# KiCad board button_grid.kicad_pcb (continued)
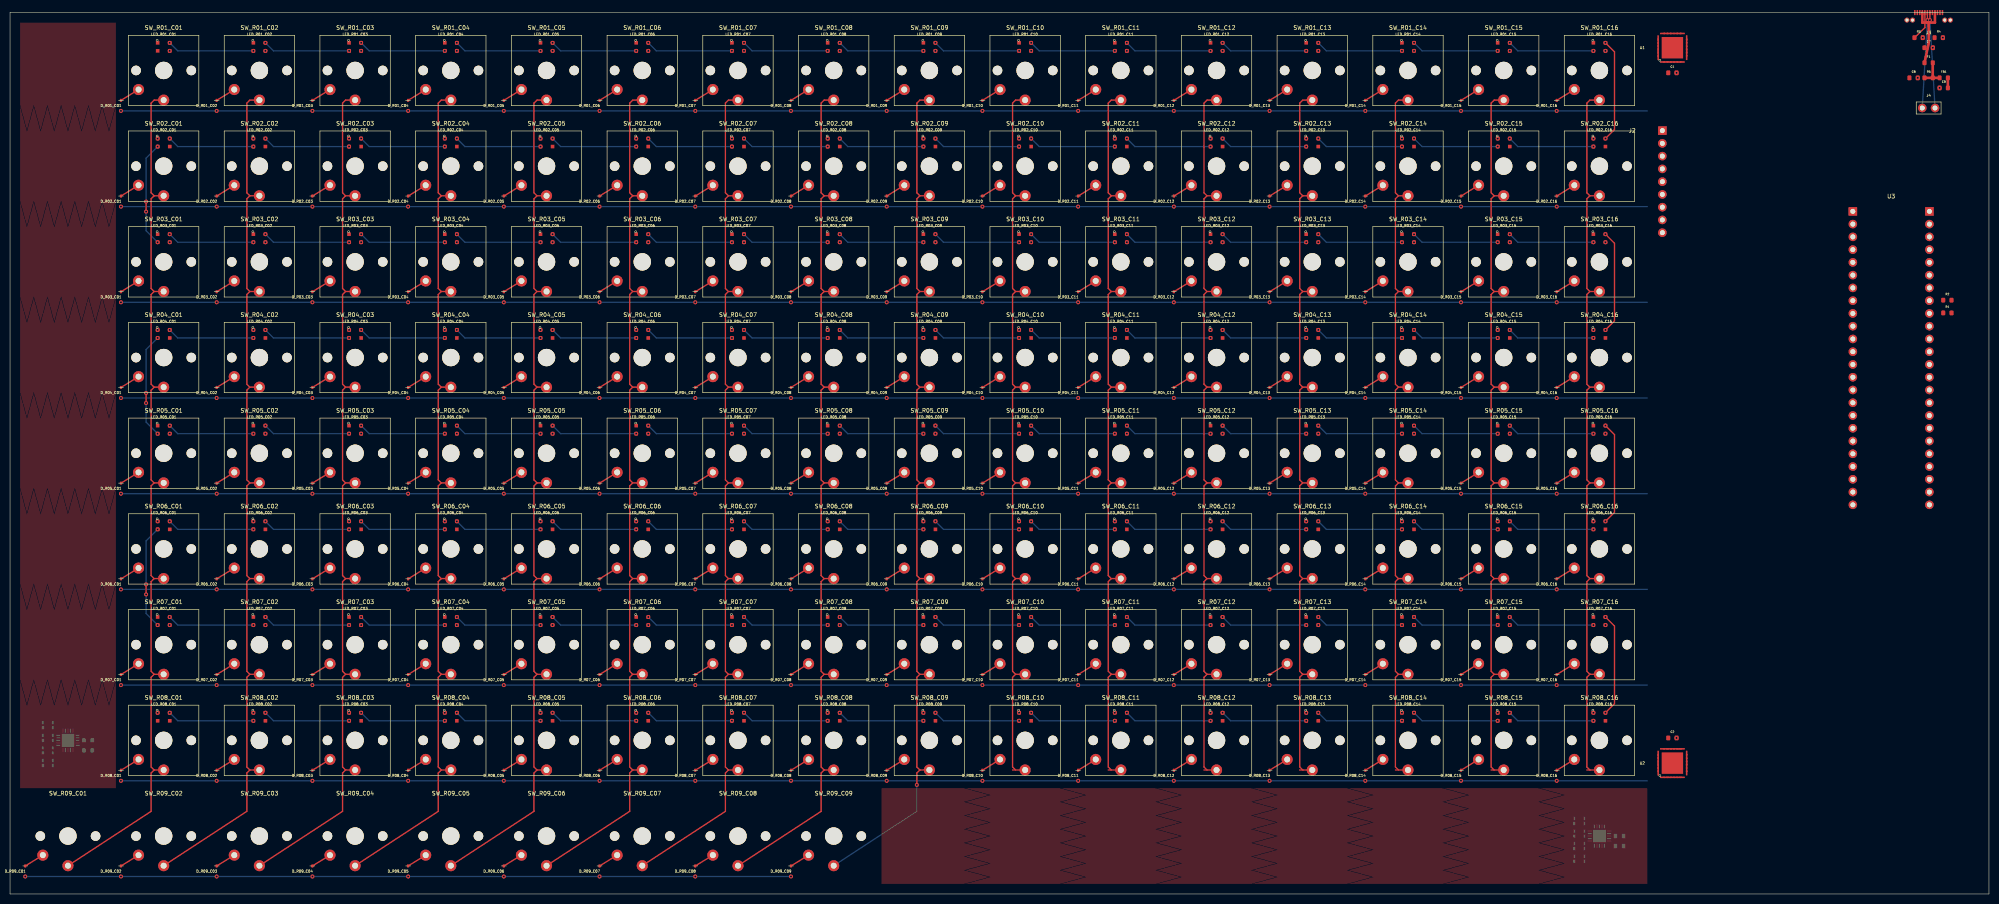
[diagram p0: board, top side]
## Placement (name value [footprint] x y rotation side) (continued)
SW_R07_C08  PG1350  [Kailh_Choc_V1]  163.93 49.62 0 top
SW_R07_C09  PG1350  [Kailh_Choc_V1]  182.97 49.62 0 top
SW_R07_C10  PG1350  [Kailh_Choc_V1]  202.03 49.62 0 top
SW_R07_C11  PG1350  [Kailh_Choc_V1]  221.07 49.62 0 top
SW_R07_C12  PG1350  [Kailh_Choc_V1]  240.12 49.62 0 top
SW_R07_C13  PG1350  [Kailh_Choc_V1]  259.18 49.62 0 top
SW_R07_C14  PG1350  [Kailh_Choc_V1]  278.23 49.62 0 top
SW_R07_C15  PG1350  [Kailh_Choc_V1]  297.27 49.62 0 top
SW_R07_C16  PG1350  [Kailh_Choc_V1]  316.32 49.62 0 top
SW_R08_C01  PG1350  [Kailh_Choc_V1]  30.57 30.57 0 top
SW_R08_C02  PG1350  [Kailh_Choc_V1]  49.62 30.57 0 top
SW_R08_C03  PG1350  [Kailh_Choc_V1]  68.67 30.57 0 top
SW_R08_C04  PG1350  [Kailh_Choc_V1]  87.72 30.57 0 top
SW_R08_C05  PG1350  [Kailh_Choc_V1]  106.78 30.57 0 top
SW_R08_C06  PG1350  [Kailh_Choc_V1]  125.83 30.57 0 top
SW_R08_C07  PG1350  [Kailh_Choc_V1]  144.88 30.57 0 top
SW_R08_C08  PG1350  [Kailh_Choc_V1]  163.93 30.57 0 top
SW_R08_C09  PG1350  [Kailh_Choc_V1]  182.97 30.57 0 top
SW_R08_C10  PG1350  [Kailh_Choc_V1]  202.03 30.57 0 top
SW_R08_C11  PG1350  [Kailh_Choc_V1]  221.07 30.57 0 top
SW_R08_C12  PG1350  [Kailh_Choc_V1]  240.12 30.57 0 top
SW_R08_C13  PG1350  [Kailh_Choc_V1]  259.18 30.57 0 top
SW_R08_C14  PG1350  [Kailh_Choc_V1]  278.23 30.57 0 top
SW_R08_C15  PG1350  [Kailh_Choc_V1]  297.27 30.57 0 top
SW_R08_C16  PG1350  [Kailh_Choc_V1]  316.32 30.57 0 top
SW_R09_C01  -  [Kailh_Choc_V1]  11.53 11.52 0 top
SW_R09_C02  -  [Kailh_Choc_V1]  30.57 11.52 0 top
SW_R09_C03  -  [Kailh_Choc_V1]  49.62 11.52 0 top
SW_R09_C04  -  [Kailh_Choc_V1]  68.67 11.52 0 top
SW_R09_C05  -  [Kailh_Choc_V1]  87.72 11.52 0 top
SW_R09_C06  -  [Kailh_Choc_V1]  106.78 11.52 0 top
SW_R09_C07  -  [Kailh_Choc_V1]  125.83 11.52 0 top
SW_R09_C08  -  [Kailh_Choc_V1]  144.88 11.52 0 top
SW_R09_C09  -  [Kailh_Choc_V1]  163.93 11.52 0 top
U1  MCP23S17  [MCP23S17_QFN28]  330.85 168.45 90 top
U2  MCP23S17  [MCP23S17_QFN28]  330.85 26.05 90 top
U3  Teensy 4.1  [Teensy41]  374.38 135.88 0 top
U3#2  MPR121  [MPR121_QFN20]  11.53 30.57 0 bottom
U4  MPR121  [MPR121_QFN20]  316.32 11.52 0 bottom

## Footprints (pads in the part's own frame, mm; a bottom-side part is the same pattern mirrored in y, then rotated)
C_0603
  rrect 0.8x0.95 smd: 1(-0.825,0) 2(0.825,0)
D_SOD-323
  rrect 0.45x0.6 smd: 1(0,-1.05) 2(0,1.05)
ILI9341_2.4inch
  rect 1.7x1.7 hole 1: 1(0,0)
  round 1.7 hole 1: 2(0,-2.54) 3(0,-5.08) 4(0,-7.62) 5(0,-10.16) 6(0,-12.7) 7(0,-15.24) 8(0,-17.78) 9(0,-20.32)
Kailh_Choc_V1
  round 1.9 hole 1.9 unplated: (-5.5,0) (5.5,0)
  round 3.45 hole 3.45 unplated: (0,0)
  round 2.2 hole 1.2: 1(0,-5.9) 2(-5,-3.8)
MCP23S17_QFN28
  rect 1.14x1.14 smd: (-1.42,1.42) (-1.42,0) (-1.42,-1.42) (0,1.42) (0,0) (0,-1.42) (1.42,1.42) (1.42,0) (1.42,-1.42)
  rrect 0.3x1.025 smd: 1(-2.837,1.95) 2(-2.837,1.3) 3(-2.837,0.65) 4(-2.837,0) 5(-2.837,-0.65) 6(-2.837,-1.3) 7(-2.837,-1.95) 15(2.837,-1.95) 16(2.837,-1.3) 17(2.837,-0.65) 18(2.837,0) 19(2.837,0.65) 20(2.837,1.3) 21(2.837,1.95)
  rrect 1.025x0.3 smd: 8(-1.95,-2.837) 9(-1.3,-2.837) 10(-0.65,-2.837) 11(0,-2.837) 12(0.65,-2.837) 13(1.3,-2.837) 14(1.95,-2.837) 22(1.95,2.837) 23(1.3,2.837) 24(0.65,2.837) 25(0,2.837) 26(-0.65,2.837) 27(-1.3,2.837) 28(-1.95,2.837)
  rect 4.25x4.25 smd: 29(0,0)
MPR121_QFN20
  rect 1.05x1.05 smd: (-0.65,-0.65) (-0.65,0.65) (0.65,-0.65) (0.65,0.65)
  rrect 0.85x0.25 smd: 1(-1.925,-1) 2(-1.925,-0.5) 3(-1.925,0) 4(-1.925,0.5) 5(-1.925,1) 11(1.925,1) 12(1.925,0.5) 13(1.925,0) 14(1.925,-0.5) 15(1.925,-1)
  rrect 0.25x0.85 smd: 6(-1,1.925) 7(-0.5,1.925) 8(0,1.925) 9(0.5,1.925) 10(1,1.925) 16(1,-1.925) 17(0.5,-1.925) 18(0,-1.925) 19(-0.5,-1.925) 20(-1,-1.925)
  rect 2.6x2.6 smd: 21(0,0)
PRTR5V0U2X_SOT-143B
  rrect 0.55x0.7 smd: 1(-1,0.5)
  rrect 0.4x0.7 smd: 2(-1,-0.5) 3(1,-0.5) 4(1,0.5)
R_0603
  rrect 0.8x0.95 smd: 1(-0.825,0) 2(0.825,0)
SK6812MINI-E
  rect 0.7x0.7 smd: 1(1.2,-0.8) 2(-1.2,-0.8) 3(-1.2,0.8) 4(1.2,0.8)
SK6812MINI-E#2
  rect 0.7x0.7 smd: 1(-1.2,0.8) 2(1.2,0.8) 3(1.2,-0.8) 4(-1.2,-0.8)
Teensy41
  rect 1.7x1.7 hole 1: L1(-7.62,0) R1(7.62,0)
  round 1.7 hole 1: L2(-7.62,-2.54) L3(-7.62,-5.08) L4(-7.62,-7.62) L5(-7.62,-10.16) L6(-7.62,-12.7) L7(-7.62,-15.24) L8(-7.62,-17.78) L9(-7.62,-20.32) L10(-7.62,-22.86) L11(-7.62,-25.4) L12(-7.62,-27.94) L13(-7.62,-30.48) L14(-7.62,-33.02) L15(-7.62,-35.56) L16(-7.62,-38.1) L17(-7.62,-40.64) L18(-7.62,-43.18) L19(-7.62,-45.72) L20(-7.62,-48.26) L21(-7.62,-50.8) L22(-7.62,-53.34) L23(-7.62,-55.88) L24(-7.62,-58.42) R2(7.62,-2.54) R3(7.62,-5.08) R4(7.62,-7.62) R5(7.62,-10.16) R6(7.62,-12.7) R7(7.62,-15.24) R8(7.62,-17.78) R9(7.62,-20.32) R10(7.62,-22.86) R11(7.62,-25.4) R12(7.62,-27.94) R13(7.62,-30.48) R14(7.62,-33.02) R15(7.62,-35.56) R16(7.62,-38.1) R17(7.62,-40.64) R18(7.62,-43.18) R19(7.62,-45.72) R20(7.62,-48.26) R21(7.62,-50.8) R22(7.62,-53.34) R23(7.62,-55.88) R24(7.62,-58.42)
USB_C_Mid_Mount
  rect 0.3x1 smd: A1(-2.75,0) A2(-2.25,0) A3(-1.75,0) A4(-1.25,0) A5(-0.75,0) A6(-0.25,0) A7(0.25,0) A8(0.75,0) A9(1.25,0) A10(1.75,0) A11(2.25,0) A12(2.75,0)
  round 1 hole 0.6: SH(-4.32,-1.5) SH(-3.2,-1.5) SH(3.2,-1.5) SH(4.32,-1.5)
USB_Dev_Pads
  round 1.7 hole 1: 1(-1.27,0) 2(1.27,0)

## Nets
GND: C1.2 C2.2 C4.2 C5.2 C5#2.2 C6.2 C7.2 C8.2 C9.1 D_TVS3_0.1 D_TVS3_1.1 D_TVS3_2.1 D_TVS3_3.1 D_TVS4_0.1 D_TVS4_1.1 D_TVS4_2.1 D_TVS4_3.1 J2.2 J3.A1 J3.A12 J3.SH LED_R01_C01.3 LED_R01_C02.3 LED_R01_C03.3 LED_R01_C04.3 LED_R01_C05.3 LED_R01_C06.3 LED_R01_C07.3 LED_R01_C08.3 LED_R01_C09.3 LED_R01_C10.3 LED_R01_C11.3 LED_R01_C12.3 LED_R01_C13.3 LED_R01_C14.3 LED_R01_C15.3 LED_R01_C16.3 LED_R02_C01.3 LED_R02_C02.3 LED_R02_C03.3 LED_R02_C04.3 LED_R02_C05.3 LED_R02_C06.3 LED_R02_C07.3 LED_R02_C08.3 LED_R02_C09.3 LED_R02_C10.3 LED_R02_C11.3 LED_R02_C12.3 LED_R02_C13.3 LED_R02_C14.3 LED_R02_C15.3 LED_R02_C16.3 LED_R03_C01.3 LED_R03_C02.3 LED_R03_C03.3 LED_R03_C04.3 LED_R03_C05.3 LED_R03_C06.3 LED_R03_C07.3 LED_R03_C08.3 LED_R03_C09.3 LED_R03_C10.3 LED_R03_C11.3 LED_R03_C12.3 LED_R03_C13.3 LED_R03_C14.3 LED_R03_C15.3 LED_R03_C16.3 LED_R04_C01.3 LED_R04_C02.3 LED_R04_C03.3 LED_R04_C04.3 LED_R04_C05.3 LED_R04_C06.3 LED_R04_C07.3 LED_R04_C08.3 LED_R04_C09.3 LED_R04_C10.3 LED_R04_C11.3 LED_R04_C12.3 LED_R04_C13.3 LED_R04_C14.3 LED_R04_C15.3 LED_R04_C16.3 LED_R05_C01.3 LED_R05_C02.3 LED_R05_C03.3 LED_R05_C04.3 LED_R05_C05.3 LED_R05_C06.3 LED_R05_C07.3 LED_R05_C08.3 LED_R05_C09.3 LED_R05_C10.3 LED_R05_C11.3 LED_R05_C12.3 LED_R05_C13.3 LED_R05_C14.3 LED_R05_C15.3 LED_R05_C16.3 LED_R06_C01.3 LED_R06_C02.3 LED_R06_C03.3 LED_R06_C04.3 LED_R06_C05.3 LED_R06_C06.3 LED_R06_C07.3 LED_R06_C08.3 LED_R06_C09.3 LED_R06_C10.3 LED_R06_C11.3 LED_R06_C12.3 LED_R06_C13.3 LED_R06_C14.3 LED_R06_C15.3 LED_R06_C16.3 LED_R07_C01.3 LED_R07_C02.3 LED_R07_C03.3 LED_R07_C04.3 LED_R07_C05.3 LED_R07_C06.3 LED_R07_C07.3 LED_R07_C08.3 LED_R07_C09.3 LED_R07_C10.3 LED_R07_C11.3 LED_R07_C12.3 LED_R07_C13.3 LED_R07_C14.3 LED_R07_C15.3 LED_R07_C16.3 LED_R08_C01.3 LED_R08_C02.3 LED_R08_C03.3 LED_R08_C04.3 LED_R08_C05.3 LED_R08_C06.3 LED_R08_C07.3 LED_R08_C08.3 LED_R08_C09.3 LED_R08_C10.3 LED_R08_C11.3 LED_R08_C12.3 LED_R08_C13.3 LED_R08_C14.3 LED_R08_C15.3 LED_R08_C16.3 R3.2 R4.2 U1. U1.10 U1.15 U1.16 U1.17 U1.29 U2. U2.10 U2.15 U2.16 U2.17 U2.29 U3.L1 U3.R2 U3#2. U3#2.2 U3#2.11 U3#2.21 U4. U4.2 U4.11 U4.21
VCC: C1.1 C2.1 C4.1 C5.1 C5#2.1 C6.1 C9.2 D_TVS3_0.3 D_TVS3_1.3 D_TVS3_2.3 D_TVS3_3.3 D_TVS4_0.3 D_TVS4_1.3 D_TVS4_2.3 D_TVS4_3.3 FB1.2 J2.1 R1.2 R2.2 U1.9 U1.18 U2.9 U2.18 U3.L15 U3.R1 U3.R3 U3#2.1 U3#2.20 U4.1 U4.20
VCC_FUSED: F1.2 FB1.1 R5.1
COL0: SW_R01_C01.1 SW_R02_C01.1 SW_R03_C01.1 SW_R04_C01.1 SW_R05_C01.1 SW_R06_C01.1 SW_R07_C01.1 SW_R08_C01.1 SW_R09_C01.1 U1.21
COL1: SW_R01_C02.1 SW_R02_C02.1 SW_R03_C02.1 SW_R04_C02.1 SW_R05_C02.1 SW_R06_C02.1 SW_R07_C02.1 SW_R08_C02.1 SW_R09_C02.1 U1.22
COL2: SW_R01_C03.1 SW_R02_C03.1 SW_R03_C03.1 SW_R04_C03.1 SW_R05_C03.1 SW_R06_C03.1 SW_R07_C03.1 SW_R08_C03.1 SW_R09_C03.1 U1.23
COL3: SW_R01_C04.1 SW_R02_C04.1 SW_R03_C04.1 SW_R04_C04.1 SW_R05_C04.1 SW_R06_C04.1 SW_R07_C04.1 SW_R08_C04.1 SW_R09_C04.1 U1.24
COL4: SW_R01_C05.1 SW_R02_C05.1 SW_R03_C05.1 SW_R04_C05.1 SW_R05_C05.1 SW_R06_C05.1 SW_R07_C05.1 SW_R08_C05.1 SW_R09_C05.1 U1.25
COL5: SW_R01_C06.1 SW_R02_C06.1 SW_R03_C06.1 SW_R04_C06.1 SW_R05_C06.1 SW_R06_C06.1 SW_R07_C06.1 SW_R08_C06.1 SW_R09_C06.1 U1.26
COL6: SW_R01_C07.1 SW_R02_C07.1 SW_R03_C07.1 SW_R04_C07.1 SW_R05_C07.1 SW_R06_C07.1 SW_R07_C07.1 SW_R08_C07.1 SW_R09_C07.1 U1.27
COL7: SW_R01_C08.1 SW_R02_C08.1 SW_R03_C08.1 SW_R04_C08.1 SW_R05_C08.1 SW_R06_C08.1 SW_R07_C08.1 SW_R08_C08.1 SW_R09_C08.1 U1.28
COL8: SW_R01_C09.1 SW_R02_C09.1 SW_R03_C09.1 SW_R04_C09.1 SW_R05_C09.1 SW_R06_C09.1 SW_R07_C09.1 SW_R08_C09.1 SW_R09_C09.1 U1.1
COL9: SW_R01_C10.1 SW_R02_C10.1 SW_R03_C10.1 SW_R04_C10.1 SW_R05_C10.1 SW_R06_C10.1 SW_R07_C10.1 SW_R08_C10.1 U1.2
COL10: SW_R01_C11.1 SW_R02_C11.1 SW_R03_C11.1 SW_R04_C11.1 SW_R05_C11.1 SW_R06_C11.1 SW_R07_C11.1 SW_R08_C11.1 U1.3
COL11: SW_R01_C12.1 SW_R02_C12.1 SW_R03_C12.1 SW_R04_C12.1 SW_R05_C12.1 SW_R06_C12.1 SW_R07_C12.1 SW_R08_C12.1 U1.4
COL12: SW_R01_C13.1 SW_R02_C13.1 SW_R03_C13.1 SW_R04_C13.1 SW_R05_C13.1 SW_R06_C13.1 SW_R07_C13.1 SW_R08_C13.1 U1.5
COL13: SW_R01_C14.1 SW_R02_C14.1 SW_R03_C14.1 SW_R04_C14.1 SW_R05_C14.1 SW_R06_C14.1 SW_R07_C14.1 SW_R08_C14.1 U1.6
COL14: SW_R01_C15.1 SW_R02_C15.1 SW_R03_C15.1 SW_R04_C15.1 SW_R05_C15.1 SW_R06_C15.1 SW_R07_C15.1 SW_R08_C15.1 U1.7
COL15: SW_R01_C16.1 SW_R02_C16.1 SW_R03_C16.1 SW_R04_C16.1 SW_R05_C16.1 SW_R06_C16.1 SW_R07_C16.1 SW_R08_C16.1 U1.8
DISP_CS: J2.3 U3.L12
DISP_DC: J2.5 U3.L8
DISP_LED: J2.8 U3.L10
DISP_MISO: J2.9 U1.14 U2.14 U3.L14
DISP_MOSI: J2.6 U1.13 U2.13 U3.L13
DISP_RST: J2.4 U3.L9
DISP_SCK: J2.7 U1.12 U2.12 U3.R14
HSLIDER0: D_TVS4_0.2 U4.9
HSLIDER1: D_TVS4_0.4 U4.10
HSLIDER2: D_TVS4_1.2 U4.12
HSLIDER3: D_TVS4_1.4 U4.13
HSLIDER4: D_TVS4_2.2 U4.14
HSLIDER5: D_TVS4_2.4 U4.15
HSLIDER6: D_TVS4_3.2 U4.16
HSLIDER7: D_TVS4_3.4 U4.17
I2C_SCL: R2.1 U3.R8 U3#2.4 U4.4
I2C_SDA: R1.1 U3.R9 U3#2.5 U4.5
LED_CH1: LED_R01_C01.2 LED_R01_C02.4
LED_CH2: LED_R01_C02.2 LED_R01_C03.4
LED_CH3: LED_R01_C03.2 LED_R01_C04.4
LED_CH4: LED_R01_C04.2 LED_R01_C05.4
LED_CH5: LED_R01_C05.2 LED_R01_C06.4
LED_CH6: LED_R01_C06.2 LED_R01_C07.4
LED_CH7: LED_R01_C07.2 LED_R01_C08.4
LED_CH8: LED_R01_C08.2 LED_R01_C09.4
LED_CH9: LED_R01_C09.2 LED_R01_C10.4
LED_CH10: LED_R01_C10.2 LED_R01_C11.4
LED_CH11: LED_R01_C11.2 LED_R01_C12.4
LED_CH12: LED_R01_C12.2 LED_R01_C13.4
LED_CH13: LED_R01_C13.2 LED_R01_C14.4
LED_CH14: LED_R01_C14.2 LED_R01_C15.4
LED_CH15: LED_R01_C15.2 LED_R01_C16.4
LED_CH16: LED_R01_C16.2 LED_R02_C16.4
LED_CH17: LED_R02_C15.4 LED_R02_C16.2
LED_CH18: LED_R02_C14.4 LED_R02_C15.2
LED_CH19: LED_R02_C13.4 LED_R02_C14.2
LED_CH20: LED_R02_C12.4 LED_R02_C13.2
LED_CH21: LED_R02_C11.4 LED_R02_C12.2
LED_CH22: LED_R02_C10.4 LED_R02_C11.2
LED_CH23: LED_R02_C09.4 LED_R02_C10.2
LED_CH24: LED_R02_C08.4 LED_R02_C09.2
LED_CH25: LED_R02_C07.4 LED_R02_C08.2
LED_CH26: LED_R02_C06.4 LED_R02_C07.2
LED_CH27: LED_R02_C05.4 LED_R02_C06.2
LED_CH28: LED_R02_C04.4 LED_R02_C05.2
LED_CH29: LED_R02_C03.4 LED_R02_C04.2
LED_CH30: LED_R02_C02.4 LED_R02_C03.2
LED_CH31: LED_R02_C01.4 LED_R02_C02.2
LED_CH32: LED_R02_C01.2 LED_R03_C01.4
LED_CH33: LED_R03_C01.2 LED_R03_C02.4
LED_CH34: LED_R03_C02.2 LED_R03_C03.4
LED_CH35: LED_R03_C03.2 LED_R03_C04.4
LED_CH36: LED_R03_C04.2 LED_R03_C05.4
LED_CH37: LED_R03_C05.2 LED_R03_C06.4
LED_CH38: LED_R03_C06.2 LED_R03_C07.4
LED_CH39: LED_R03_C07.2 LED_R03_C08.4
LED_CH40: LED_R03_C08.2 LED_R03_C09.4
LED_CH41: LED_R03_C09.2 LED_R03_C10.4
LED_CH42: LED_R03_C10.2 LED_R03_C11.4
LED_CH43: LED_R03_C11.2 LED_R03_C12.4
LED_CH44: LED_R03_C12.2 LED_R03_C13.4
LED_CH45: LED_R03_C13.2 LED_R03_C14.4
LED_CH46: LED_R03_C14.2 LED_R03_C15.4
LED_CH47: LED_R03_C15.2 LED_R03_C16.4
LED_CH48: LED_R03_C16.2 LED_R04_C16.4
LED_CH49: LED_R04_C15.4 LED_R04_C16.2
LED_CH50: LED_R04_C14.4 LED_R04_C15.2
LED_CH51: LED_R04_C13.4 LED_R04_C14.2
LED_CH52: LED_R04_C12.4 LED_R04_C13.2
LED_CH53: LED_R04_C11.4 LED_R04_C12.2
LED_CH54: LED_R04_C10.4 LED_R04_C11.2
LED_CH55: LED_R04_C09.4 LED_R04_C10.2
LED_CH56: LED_R04_C08.4 LED_R04_C09.2
LED_CH57: LED_R04_C07.4 LED_R04_C08.2
LED_CH58: LED_R04_C06.4 LED_R04_C07.2
LED_CH59: LED_R04_C05.4 LED_R04_C06.2
LED_CH60: LED_R04_C04.4 LED_R04_C05.2
LED_CH61: LED_R04_C03.4 LED_R04_C04.2
LED_CH62: LED_R04_C02.4 LED_R04_C03.2
LED_CH63: LED_R04_C01.4 LED_R04_C02.2
LED_CH64: LED_R04_C01.2 LED_R05_C01.4
LED_CH65: LED_R05_C01.2 LED_R05_C02.4
LED_CH66: LED_R05_C02.2 LED_R05_C03.4
LED_CH67: LED_R05_C03.2 LED_R05_C04.4
LED_CH68: LED_R05_C04.2 LED_R05_C05.4
LED_CH69: LED_R05_C05.2 LED_R05_C06.4
LED_CH70: LED_R05_C06.2 LED_R05_C07.4
LED_CH71: LED_R05_C07.2 LED_R05_C08.4
LED_CH72: LED_R05_C08.2 LED_R05_C09.4
LED_CH73: LED_R05_C09.2 LED_R05_C10.4
LED_CH74: LED_R05_C10.2 LED_R05_C11.4
LED_CH75: LED_R05_C11.2 LED_R05_C12.4
LED_CH76: LED_R05_C12.2 LED_R05_C13.4
LED_CH77: LED_R05_C13.2 LED_R05_C14.4
LED_CH78: LED_R05_C14.2 LED_R05_C15.4
LED_CH79: LED_R05_C15.2 LED_R05_C16.4
LED_CH80: LED_R05_C16.2 LED_R06_C16.4
LED_CH81: LED_R06_C15.4 LED_R06_C16.2
LED_CH82: LED_R06_C14.4 LED_R06_C15.2
LED_CH83: LED_R06_C13.4 LED_R06_C14.2
LED_CH84: LED_R06_C12.4 LED_R06_C13.2
LED_CH85: LED_R06_C11.4 LED_R06_C12.2
LED_CH86: LED_R06_C10.4 LED_R06_C11.2
LED_CH87: LED_R06_C09.4 LED_R06_C10.2
LED_CH88: LED_R06_C08.4 LED_R06_C09.2
LED_CH89: LED_R06_C07.4 LED_R06_C08.2
LED_CH90: LED_R06_C06.4 LED_R06_C07.2
LED_CH91: LED_R06_C05.4 LED_R06_C06.2
LED_CH92: LED_R06_C04.4 LED_R06_C05.2
LED_CH93: LED_R06_C03.4 LED_R06_C04.2
LED_CH94: LED_R06_C02.4 LED_R06_C03.2
LED_CH95: LED_R06_C01.4 LED_R06_C02.2
LED_CH96: LED_R06_C01.2 LED_R07_C01.4
LED_CH97: LED_R07_C01.2 LED_R07_C02.4
LED_CH98: LED_R07_C02.2 LED_R07_C03.4
LED_CH99: LED_R07_C03.2 LED_R07_C04.4
LED_CH100: LED_R07_C04.2 LED_R07_C05.4
LED_CH101: LED_R07_C05.2 LED_R07_C06.4
LED_CH102: LED_R07_C06.2 LED_R07_C07.4
LED_CH103: LED_R07_C07.2 LED_R07_C08.4
LED_CH104: LED_R07_C08.2 LED_R07_C09.4
LED_CH105: LED_R07_C09.2 LED_R07_C10.4
LED_CH106: LED_R07_C10.2 LED_R07_C11.4
LED_CH107: LED_R07_C11.2 LED_R07_C12.4
LED_CH108: LED_R07_C12.2 LED_R07_C13.4
LED_CH109: LED_R07_C13.2 LED_R07_C14.4
LED_CH110: LED_R07_C14.2 LED_R07_C15.4
LED_CH111: LED_R07_C15.2 LED_R07_C16.4
LED_CH112: LED_R07_C16.2 LED_R08_C16.4
LED_CH113: LED_R08_C15.4 LED_R08_C16.2
LED_CH114: LED_R08_C14.4 LED_R08_C15.2
LED_CH115: LED_R08_C13.4 LED_R08_C14.2
LED_CH116: LED_R08_C12.4 LED_R08_C13.2
LED_CH117: LED_R08_C11.4 LED_R08_C12.2
LED_CH118: LED_R08_C10.4 LED_R08_C11.2
LED_CH119: LED_R08_C09.4 LED_R08_C10.2
LED_CH120: LED_R08_C08.4 LED_R08_C09.2
LED_CH121: LED_R08_C07.4 LED_R08_C08.2
LED_CH122: LED_R08_C06.4 LED_R08_C07.2
LED_CH123: LED_R08_C05.4 LED_R08_C06.2
LED_CH124: LED_R08_C04.4 LED_R08_C05.2
LED_CH125: LED_R08_C03.4 LED_R08_C04.2
LED_CH126: LED_R08_C02.4 LED_R08_C03.2
LED_CH127: LED_R08_C01.4 LED_R08_C02.2
LED_DIN: LED_R01_C01.4 U3.L3
LED_VCC: C8.1 LED_R01_C01.1 LED_R01_C02.1 LED_R01_C03.1 LED_R01_C04.1 LED_R01_C05.1 LED_R01_C06.1 LED_R01_C07.1 LED_R01_C08.1 LED_R01_C09.1 LED_R01_C10.1 LED_R01_C11.1 LED_R01_C12.1 LED_R01_C13.1 LED_R01_C14.1 LED_R01_C15.1 LED_R01_C16.1 LED_R02_C01.1 LED_R02_C02.1 LED_R02_C03.1 LED_R02_C04.1 LED_R02_C05.1 LED_R02_C06.1 LED_R02_C07.1 LED_R02_C08.1 LED_R02_C09.1 LED_R02_C10.1 LED_R02_C11.1 LED_R02_C12.1 LED_R02_C13.1 LED_R02_C14.1 LED_R02_C15.1 LED_R02_C16.1 LED_R03_C01.1 LED_R03_C02.1 LED_R03_C03.1 LED_R03_C04.1 LED_R03_C05.1 LED_R03_C06.1 LED_R03_C07.1 LED_R03_C08.1 LED_R03_C09.1 LED_R03_C10.1 LED_R03_C11.1 LED_R03_C12.1 LED_R03_C13.1 LED_R03_C14.1 LED_R03_C15.1 LED_R03_C16.1 LED_R04_C01.1 LED_R04_C02.1 LED_R04_C03.1 LED_R04_C04.1 LED_R04_C05.1 LED_R04_C06.1 LED_R04_C07.1 LED_R04_C08.1 LED_R04_C09.1 LED_R04_C10.1 LED_R04_C11.1 LED_R04_C12.1 LED_R04_C13.1 LED_R04_C14.1 LED_R04_C15.1 LED_R04_C16.1 LED_R05_C01.1 LED_R05_C02.1 LED_R05_C03.1 LED_R05_C04.1 LED_R05_C05.1 LED_R05_C06.1 LED_R05_C07.1 LED_R05_C08.1 LED_R05_C09.1 LED_R05_C10.1 LED_R05_C11.1 LED_R05_C12.1 LED_R05_C13.1 LED_R05_C14.1 LED_R05_C15.1 LED_R05_C16.1 LED_R06_C01.1 LED_R06_C02.1 LED_R06_C03.1 LED_R06_C04.1 LED_R06_C05.1 LED_R06_C06.1 LED_R06_C07.1 LED_R06_C08.1 LED_R06_C09.1 LED_R06_C10.1 LED_R06_C11.1 LED_R06_C12.1 LED_R06_C13.1 LED_R06_C14.1 LED_R06_C15.1 LED_R06_C16.1 LED_R07_C01.1 LED_R07_C02.1 LED_R07_C03.1 LED_R07_C04.1 LED_R07_C05.1 LED_R07_C06.1 LED_R07_C07.1 LED_R07_C08.1 LED_R07_C09.1 LED_R07_C10.1 LED_R07_C11.1 LED_R07_C12.1 LED_R07_C13.1 LED_R07_C14.1 LED_R07_C15.1 LED_R07_C16.1 LED_R08_C01.1 LED_R08_C02.1 LED_R08_C03.1 LED_R08_C04.1 LED_R08_C05.1 LED_R08_C06.1 LED_R08_C07.1 LED_R08_C08.1 LED_R08_C09.1 LED_R08_C10.1 LED_R08_C11.1 LED_R08_C12.1 LED_R08_C13.1 LED_R08_C14.1 LED_R08_C15.1 LED_R08_C16.1 R5.2
MPR_IRQ_H: U4.6
MPR_IRQ_V: U3#2.6
ROW0: D_R01_C01.1 D_R01_C02.1 D_R01_C03.1 D_R01_C04.1 D_R01_C05.1 D_R01_C06.1 D_R01_C07.1 D_R01_C08.1 D_R01_C09.1 D_R01_C10.1 D_R01_C11.1 D_R01_C12.1 D_R01_C13.1 D_R01_C14.1 D_R01_C15.1 D_R01_C16.1 U2.21
ROW1: D_R02_C01.1 D_R02_C02.1 D_R02_C03.1 D_R02_C04.1 D_R02_C05.1 D_R02_C06.1 D_R02_C07.1 D_R02_C08.1 D_R02_C09.1 D_R02_C10.1 D_R02_C11.1 D_R02_C12.1 D_R02_C13.1 D_R02_C14.1 D_R02_C15.1 D_R02_C16.1 U2.22
ROW2: D_R03_C01.1 D_R03_C02.1 D_R03_C03.1 D_R03_C04.1 D_R03_C05.1 D_R03_C06.1 D_R03_C07.1 D_R03_C08.1 D_R03_C09.1 D_R03_C10.1 D_R03_C11.1 D_R03_C12.1 D_R03_C13.1 D_R03_C14.1 D_R03_C15.1 D_R03_C16.1 U2.23
ROW3: D_R04_C01.1 D_R04_C02.1 D_R04_C03.1 D_R04_C04.1 D_R04_C05.1 D_R04_C06.1 D_R04_C07.1 D_R04_C08.1 D_R04_C09.1 D_R04_C10.1 D_R04_C11.1 D_R04_C12.1 D_R04_C13.1 D_R04_C14.1 D_R04_C15.1 D_R04_C16.1 U2.24
ROW4: D_R05_C01.1 D_R05_C02.1 D_R05_C03.1 D_R05_C04.1 D_R05_C05.1 D_R05_C06.1 D_R05_C07.1 D_R05_C08.1 D_R05_C09.1 D_R05_C10.1 D_R05_C11.1 D_R05_C12.1 D_R05_C13.1 D_R05_C14.1 D_R05_C15.1 D_R05_C16.1 U2.25
ROW5: D_R06_C01.1 D_R06_C02.1 D_R06_C03.1 D_R06_C04.1 D_R06_C05.1 D_R06_C06.1 D_R06_C07.1 D_R06_C08.1 D_R06_C09.1 D_R06_C10.1 D_R06_C11.1 D_R06_C12.1 D_R06_C13.1 D_R06_C14.1 D_R06_C15.1 D_R06_C16.1 U2.26
ROW6: D_R07_C01.1 D_R07_C02.1 D_R07_C03.1 D_R07_C04.1 D_R07_C05.1 D_R07_C06.1 D_R07_C07.1 D_R07_C08.1 D_R07_C09.1 D_R07_C10.1 D_R07_C11.1 D_R07_C12.1 D_R07_C13.1 D_R07_C14.1 D_R07_C15.1 D_R07_C16.1 U2.27
ROW7: D_R08_C01.1 D_R08_C02.1 D_R08_C03.1 D_R08_C04.1 D_R08_C05.1 D_R08_C06.1 D_R08_C07.1 D_R08_C08.1 D_R08_C09.1 D_R08_C10.1 D_R08_C11.1 D_R08_C12.1 D_R08_C13.1 D_R08_C14.1 D_R08_C15.1 D_R08_C16.1 U2.28
ROW8: D_R09_C01.1 D_R09_C02.1 D_R09_C03.1 D_R09_C04.1 D_R09_C05.1 D_R09_C06.1 D_R09_C07.1 D_R09_C08.1 D_R09_C09.1
SPI_CS_U1: U1.11 U3.R7
SPI_CS_U2: U2.11 U3.R6
SW_0_0: D_R01_C01.2 SW_R01_C01.2
SW_0_1: D_R01_C02.2 SW_R01_C02.2
SW_0_2: D_R01_C03.2 SW_R01_C03.2
SW_0_3: D_R01_C04.2 SW_R01_C04.2
SW_0_4: D_R01_C05.2 SW_R01_C05.2
SW_0_5: D_R01_C06.2 SW_R01_C06.2
SW_0_6: D_R01_C07.2 SW_R01_C07.2
SW_0_7: D_R01_C08.2 SW_R01_C08.2
SW_0_8: D_R01_C09.2 SW_R01_C09.2
SW_0_9: D_R01_C10.2 SW_R01_C10.2
SW_0_10: D_R01_C11.2 SW_R01_C11.2
SW_0_11: D_R01_C12.2 SW_R01_C12.2
SW_0_12: D_R01_C13.2 SW_R01_C13.2
SW_0_13: D_R01_C14.2 SW_R01_C14.2
SW_0_14: D_R01_C15.2 SW_R01_C15.2
SW_0_15: D_R01_C16.2 SW_R01_C16.2
SW_1_0: D_R02_C01.2 SW_R02_C01.2
SW_1_1: D_R02_C02.2 SW_R02_C02.2
SW_1_2: D_R02_C03.2 SW_R02_C03.2
SW_1_3: D_R02_C04.2 SW_R02_C04.2
SW_1_4: D_R02_C05.2 SW_R02_C05.2
SW_1_5: D_R02_C06.2 SW_R02_C06.2
SW_1_6: D_R02_C07.2 SW_R02_C07.2
SW_1_7: D_R02_C08.2 SW_R02_C08.2
SW_1_8: D_R02_C09.2 SW_R02_C09.2
SW_1_9: D_R02_C10.2 SW_R02_C10.2
SW_1_10: D_R02_C11.2 SW_R02_C11.2
SW_1_11: D_R02_C12.2 SW_R02_C12.2
SW_1_12: D_R02_C13.2 SW_R02_C13.2
SW_1_13: D_R02_C14.2 SW_R02_C14.2
SW_1_14: D_R02_C15.2 SW_R02_C15.2
SW_1_15: D_R02_C16.2 SW_R02_C16.2
SW_2_0: D_R03_C01.2 SW_R03_C01.2
SW_2_1: D_R03_C02.2 SW_R03_C02.2
SW_2_2: D_R03_C03.2 SW_R03_C03.2
SW_2_3: D_R03_C04.2 SW_R03_C04.2
SW_2_4: D_R03_C05.2 SW_R03_C05.2
SW_2_5: D_R03_C06.2 SW_R03_C06.2
SW_2_6: D_R03_C07.2 SW_R03_C07.2
SW_2_7: D_R03_C08.2 SW_R03_C08.2
SW_2_8: D_R03_C09.2 SW_R03_C09.2
SW_2_9: D_R03_C10.2 SW_R03_C10.2
SW_2_10: D_R03_C11.2 SW_R03_C11.2
SW_2_11: D_R03_C12.2 SW_R03_C12.2
SW_2_12: D_R03_C13.2 SW_R03_C13.2
SW_2_13: D_R03_C14.2 SW_R03_C14.2
SW_2_14: D_R03_C15.2 SW_R03_C15.2
SW_2_15: D_R03_C16.2 SW_R03_C16.2
SW_3_0: D_R04_C01.2 SW_R04_C01.2
SW_3_1: D_R04_C02.2 SW_R04_C02.2
SW_3_2: D_R04_C03.2 SW_R04_C03.2
SW_3_3: D_R04_C04.2 SW_R04_C04.2
SW_3_4: D_R04_C05.2 SW_R04_C05.2
SW_3_5: D_R04_C06.2 SW_R04_C06.2
SW_3_6: D_R04_C07.2 SW_R04_C07.2
SW_3_7: D_R04_C08.2 SW_R04_C08.2
SW_3_8: D_R04_C09.2 SW_R04_C09.2
SW_3_9: D_R04_C10.2 SW_R04_C10.2
SW_3_10: D_R04_C11.2 SW_R04_C11.2
SW_3_11: D_R04_C12.2 SW_R04_C12.2
SW_3_12: D_R04_C13.2 SW_R04_C13.2
SW_3_13: D_R04_C14.2 SW_R04_C14.2
SW_3_14: D_R04_C15.2 SW_R04_C15.2
SW_3_15: D_R04_C16.2 SW_R04_C16.2
SW_4_0: D_R05_C01.2 SW_R05_C01.2
SW_4_1: D_R05_C02.2 SW_R05_C02.2
SW_4_2: D_R05_C03.2 SW_R05_C03.2
SW_4_3: D_R05_C04.2 SW_R05_C04.2
SW_4_4: D_R05_C05.2 SW_R05_C05.2
SW_4_5: D_R05_C06.2 SW_R05_C06.2
SW_4_6: D_R05_C07.2 SW_R05_C07.2
SW_4_7: D_R05_C08.2 SW_R05_C08.2
SW_4_8: D_R05_C09.2 SW_R05_C09.2
SW_4_9: D_R05_C10.2 SW_R05_C10.2
SW_4_10: D_R05_C11.2 SW_R05_C11.2
SW_4_11: D_R05_C12.2 SW_R05_C12.2
SW_4_12: D_R05_C13.2 SW_R05_C13.2
SW_4_13: D_R05_C14.2 SW_R05_C14.2
SW_4_14: D_R05_C15.2 SW_R05_C15.2
SW_4_15: D_R05_C16.2 SW_R05_C16.2
SW_5_0: D_R06_C01.2 SW_R06_C01.2
SW_5_1: D_R06_C02.2 SW_R06_C02.2
SW_5_2: D_R06_C03.2 SW_R06_C03.2
SW_5_3: D_R06_C04.2 SW_R06_C04.2
SW_5_4: D_R06_C05.2 SW_R06_C05.2
SW_5_5: D_R06_C06.2 SW_R06_C06.2
SW_5_6: D_R06_C07.2 SW_R06_C07.2
SW_5_7: D_R06_C08.2 SW_R06_C08.2
SW_5_8: D_R06_C09.2 SW_R06_C09.2
SW_5_9: D_R06_C10.2 SW_R06_C10.2
SW_5_10: D_R06_C11.2 SW_R06_C11.2
SW_5_11: D_R06_C12.2 SW_R06_C12.2
SW_5_12: D_R06_C13.2 SW_R06_C13.2
SW_5_13: D_R06_C14.2 SW_R06_C14.2
SW_5_14: D_R06_C15.2 SW_R06_C15.2
SW_5_15: D_R06_C16.2 SW_R06_C16.2
SW_6_0: D_R07_C01.2 SW_R07_C01.2
SW_6_1: D_R07_C02.2 SW_R07_C02.2
SW_6_2: D_R07_C03.2 SW_R07_C03.2
SW_6_3: D_R07_C04.2 SW_R07_C04.2
SW_6_4: D_R07_C05.2 SW_R07_C05.2
SW_6_5: D_R07_C06.2 SW_R07_C06.2
SW_6_6: D_R07_C07.2 SW_R07_C07.2
SW_6_7: D_R07_C08.2 SW_R07_C08.2
SW_6_8: D_R07_C09.2 SW_R07_C09.2
SW_6_9: D_R07_C10.2 SW_R07_C10.2
SW_6_10: D_R07_C11.2 SW_R07_C11.2
SW_6_11: D_R07_C12.2 SW_R07_C12.2
SW_6_12: D_R07_C13.2 SW_R07_C13.2
SW_6_13: D_R07_C14.2 SW_R07_C14.2
SW_6_14: D_R07_C15.2 SW_R07_C15.2
SW_6_15: D_R07_C16.2 SW_R07_C16.2
SW_7_0: D_R08_C01.2 SW_R08_C01.2
SW_7_1: D_R08_C02.2 SW_R08_C02.2
SW_7_2: D_R08_C03.2 SW_R08_C03.2
SW_7_3: D_R08_C04.2 SW_R08_C04.2
SW_7_4: D_R08_C05.2 SW_R08_C05.2
SW_7_5: D_R08_C06.2 SW_R08_C06.2
SW_7_6: D_R08_C07.2 SW_R08_C07.2
SW_7_7: D_R08_C08.2 SW_R08_C08.2
SW_7_8: D_R08_C09.2 SW_R08_C09.2
SW_7_9: D_R08_C10.2 SW_R08_C10.2
SW_7_10: D_R08_C11.2 SW_R08_C11.2
SW_7_11: D_R08_C12.2 SW_R08_C12.2
SW_7_12: D_R08_C13.2 SW_R08_C13.2
SW_7_13: D_R08_C14.2 SW_R08_C14.2
SW_7_14: D_R08_C15.2 SW_R08_C15.2
SW_7_15: D_R08_C16.2 SW_R08_C16.2
SW_R9_0: D_R09_C01.2 SW_R09_C01.2
SW_R9_1: D_R09_C02.2 SW_R09_C02.2
SW_R9_2: D_R09_C03.2 SW_R09_C03.2
SW_R9_3: D_R09_C04.2 SW_R09_C04.2
SW_R9_4: D_R09_C05.2 SW_R09_C05.2
SW_R9_5: D_R09_C06.2 SW_R09_C06.2
SW_R9_6: D_R09_C07.2 SW_R09_C07.2
SW_R9_7: D_R09_C08.2 SW_R09_C08.2
SW_R9_8: D_R09_C09.2 SW_R09_C09.2
USB_CC1: J3.A5 R3.1
USB_CC2: R4.1
USB_D+: J3.A6 J4.1
USB_D-: J3.A7 J4.2
USB_VBUS: C7.1 F1.1 J3.A4 J3.A9
VSLIDER0: D_TVS3_3.4 U3#2.17
VSLIDER1: D_TVS3_3.2 U3#2.16
VSLIDER2: D_TVS3_2.4 U3#2.15
VSLIDER3: D_TVS3_2.2 U3#2.14
VSLIDER4: D_TVS3_1.4 U3#2.13
VSLIDER5: D_TVS3_1.2 U3#2.12
VSLIDER6: D_TVS3_0.4 U3#2.10
VSLIDER7: D_TVS3_0.2 U3#2.9

Pads without a net: J3 A2 A3 A8 A10 A11; LED_R08_C01 2; U1 19 20; U2 1 2 3 4 5 6 7 8 19 20; U3 L2 L4 L5 L6 L7 L11 L16 L17 L18 L19 L20 L21 L22 L23 L24 R4 R5 R10 R11 R12 R13 R15 R16 R17 R18 R19 R20 R21 R22 R23 R24; U3#2 3 7 8 18 19; U4 3 7 8 18 19

## Via types
v1: diameter 0.8, hole 0.4, Top to Bottom, 538 vias

## Routing (per net, layer and track width the routed paths; a pad name or vN(x,y) marks a point on that pad's centre or on a via; arc(x,y) is an arc through that point)
GND:
  vias: v1(29.38,150.38) v1(29.38,112.27) v1(29.38,74.17) v1(29.38,36.07) v1(31.77,167.82) v1(31.77,129.72) v1(31.77,91.62) v1(31.77,53.52) v1(48.42,150.38) v1(48.42,112.27) v1(48.42,74.17) v1(48.42,36.07) v1(50.83,167.82) v1(50.83,129.72) v1(50.83,91.62) v1(50.83,53.52) v1(67.47,150.38) v1(67.47,112.27) v1(67.47,74.17) v1(67.47,36.07) v1(69.88,167.82) v1(69.88,129.72) v1(69.88,91.62) v1(69.88,53.52) v1(86.53,150.38) v1(86.53,112.27) v1(86.53,74.17) v1(86.53,36.07) v1(88.92,167.82) v1(88.92,129.72) v1(88.92,91.62) v1(88.92,53.52) v1(105.58,150.38) v1(105.58,112.27) v1(105.58,74.17) v1(105.58,36.07) v1(107.97,167.82) v1(107.97,129.72) v1(107.97,91.62) v1(107.97,53.52) v1(124.62,150.38) v1(124.62,112.27) v1(124.62,74.17) v1(124.62,36.07) v1(127.03,167.82) v1(127.03,129.72) v1(127.03,91.62) v1(127.03,53.52) v1(143.68,150.38) v1(143.68,112.27) v1(143.68,74.17) v1(143.68,36.07) v1(146.07,167.82) v1(146.07,129.72) v1(146.07,91.62) v1(146.07,53.52) v1(162.72,150.38) v1(162.72,112.27) v1(162.72,74.17) v1(162.72,36.07) v1(165.12,167.82) v1(165.12,129.72) v1(165.12,91.62) v1(165.12,53.52) v1(181.78,150.38) v1(181.78,112.27) v1(181.78,74.17) v1(181.78,36.07) v1(184.18,167.82) v1(184.18,129.72) v1(184.18,91.62) v1(184.18,53.52) v1(200.82,150.38) v1(200.82,112.27) v1(200.82,74.17) v1(200.82,36.07) v1(203.22,167.82) v1(203.22,129.72) v1(203.22,91.62) v1(203.22,53.52) v1(219.88,150.38) v1(219.88,112.27) v1(219.88,74.17) v1(219.88,36.07) v1(222.28,167.82) v1(222.28,129.72) v1(222.28,91.62) v1(222.28,53.52) v1(238.93,150.38) v1(238.93,112.27) v1(238.93,74.17) v1(238.93,36.07) v1(241.32,167.82) v1(241.32,129.72) v1(241.32,91.62) v1(241.32,53.52) v1(257.98,150.38) v1(257.98,112.27) v1(257.98,74.17) v1(257.98,36.07) v1(260.38,167.82) v1(260.38,129.72) v1(260.38,91.62) v1(260.38,53.52) v1(277.02,150.38) v1(277.02,112.27) v1(277.02,74.17) v1(277.02,36.07) v1(279.43,167.82) v1(279.43,129.72) v1(279.43,91.62) v1(279.43,53.52) v1(296.07,150.38) v1(296.07,112.27) v1(296.07,74.17) v1(296.07,36.07) v1(298.48,167.82) v1(298.48,129.72) v1(298.48,91.62) v1(298.48,53.52) v1(315.12,150.38) v1(315.12,112.27) v1(315.12,74.17) v1(315.12,36.07) v1(317.52,167.82) v1(317.52,129.72) v1(317.52,91.62) v1(317.52,53.52) v1(331.68,163.45) v1(331.68,31.05) v1(379.68,162.45) v1(380.68,170.45) v1(382.68,168.45) v1(384.02,160.45) v1(384.68,170.45)
VCC: length 2
  Top w0.5: FB1.2 C9.2
VCC_FUSED: length 6
  Top w0.5: F1.2 382.68,162.45 ; 382.68,162.45 381.02,162.45 ; 382.68,162.45 384.02,162.45
COL0: length 180.3
  Top w0.25: SW_R01_C01.1 28.68,158.02 28.07,157.42 28.07,139.57 28.68,138.97 ; 28.68,138.97 SW_R02_C01.1 ; 28.68,138.97 28.07,138.38 28.07,120.52 28.68,119.92 ; 28.68,119.92 SW_R03_C01.1 ; 28.68,119.92 28.07,119.32 28.07,101.47 28.68,100.87 ; 28.68,100.87 SW_R04_C01.1 ; 28.68,100.87 28.07,100.27 28.07,82.42 28.68,81.82 ; 28.68,81.82 SW_R05_C01.1 ; 28.68,81.82 28.07,81.22 28.07,63.37 28.68,62.77 ; 28.68,62.77 SW_R06_C01.1 ; 28.68,62.77 28.07,62.17 28.07,44.32 28.68,43.72 ; 28.68,43.72 SW_R07_C01.1 ; 28.68,43.72 28.07,43.12 28.07,25.27 28.68,24.67 ; 28.68,24.67 SW_R08_C01.1 ; 28.68,24.67 28.07,24.07 28.07,16.45 11.53,5.62
COL1: length 180.3
  Top w0.25: SW_R01_C02.1 47.73,158.02 47.12,157.42 47.12,139.57 47.73,138.97 ; 47.73,138.97 SW_R02_C02.1 ; 47.73,138.97 47.12,138.38 47.12,120.52 47.73,119.92 ; 47.73,119.92 SW_R03_C02.1 ; 47.73,119.92 47.12,119.32 47.12,101.47 47.73,100.87 ; 47.73,100.87 SW_R04_C02.1 ; 47.73,100.87 47.12,100.27 47.12,82.42 47.73,81.82 ; 47.73,81.82 SW_R05_C02.1 ; 47.73,81.82 47.12,81.22 47.12,63.37 47.73,62.77 ; 47.73,62.77 SW_R06_C02.1 ; 47.73,62.77 47.12,62.17 47.12,44.32 47.73,43.72 ; 47.73,43.72 SW_R07_C02.1 ; 47.73,43.72 47.12,43.12 47.12,25.27 47.73,24.67 ; 47.73,24.67 SW_R08_C02.1 ; 47.73,24.67 47.12,24.07 47.12,16.45 30.57,5.62
COL2: length 180.3
  Top w0.25: SW_R01_C03.1 66.78,158.02 66.17,157.42 66.17,139.57 66.78,138.97 ; 66.78,138.97 SW_R02_C03.1 ; 66.78,138.97 66.17,138.38 66.17,120.52 66.78,119.92 ; 66.78,119.92 SW_R03_C03.1 ; 66.78,119.92 66.17,119.32 66.17,101.47 66.78,100.87 ; 66.78,100.87 SW_R04_C03.1 ; 66.78,100.87 66.17,100.27 66.17,82.42 66.78,81.82 ; 66.78,81.82 SW_R05_C03.1 ; 66.78,81.82 66.17,81.22 66.17,63.37 66.78,62.77 ; 66.78,62.77 SW_R06_C03.1 ; 66.78,62.77 66.17,62.17 66.17,44.32 66.78,43.72 ; 66.78,43.72 SW_R07_C03.1 ; 66.78,43.72 66.17,43.12 66.17,25.27 66.78,24.67 ; 66.78,24.67 SW_R08_C03.1 ; 66.78,24.67 66.17,24.07 66.17,16.45 49.62,5.62
